# KiCad board uaefi.kicad_pcb
title: UAEFI; date: 2026-09-01; rev: F3
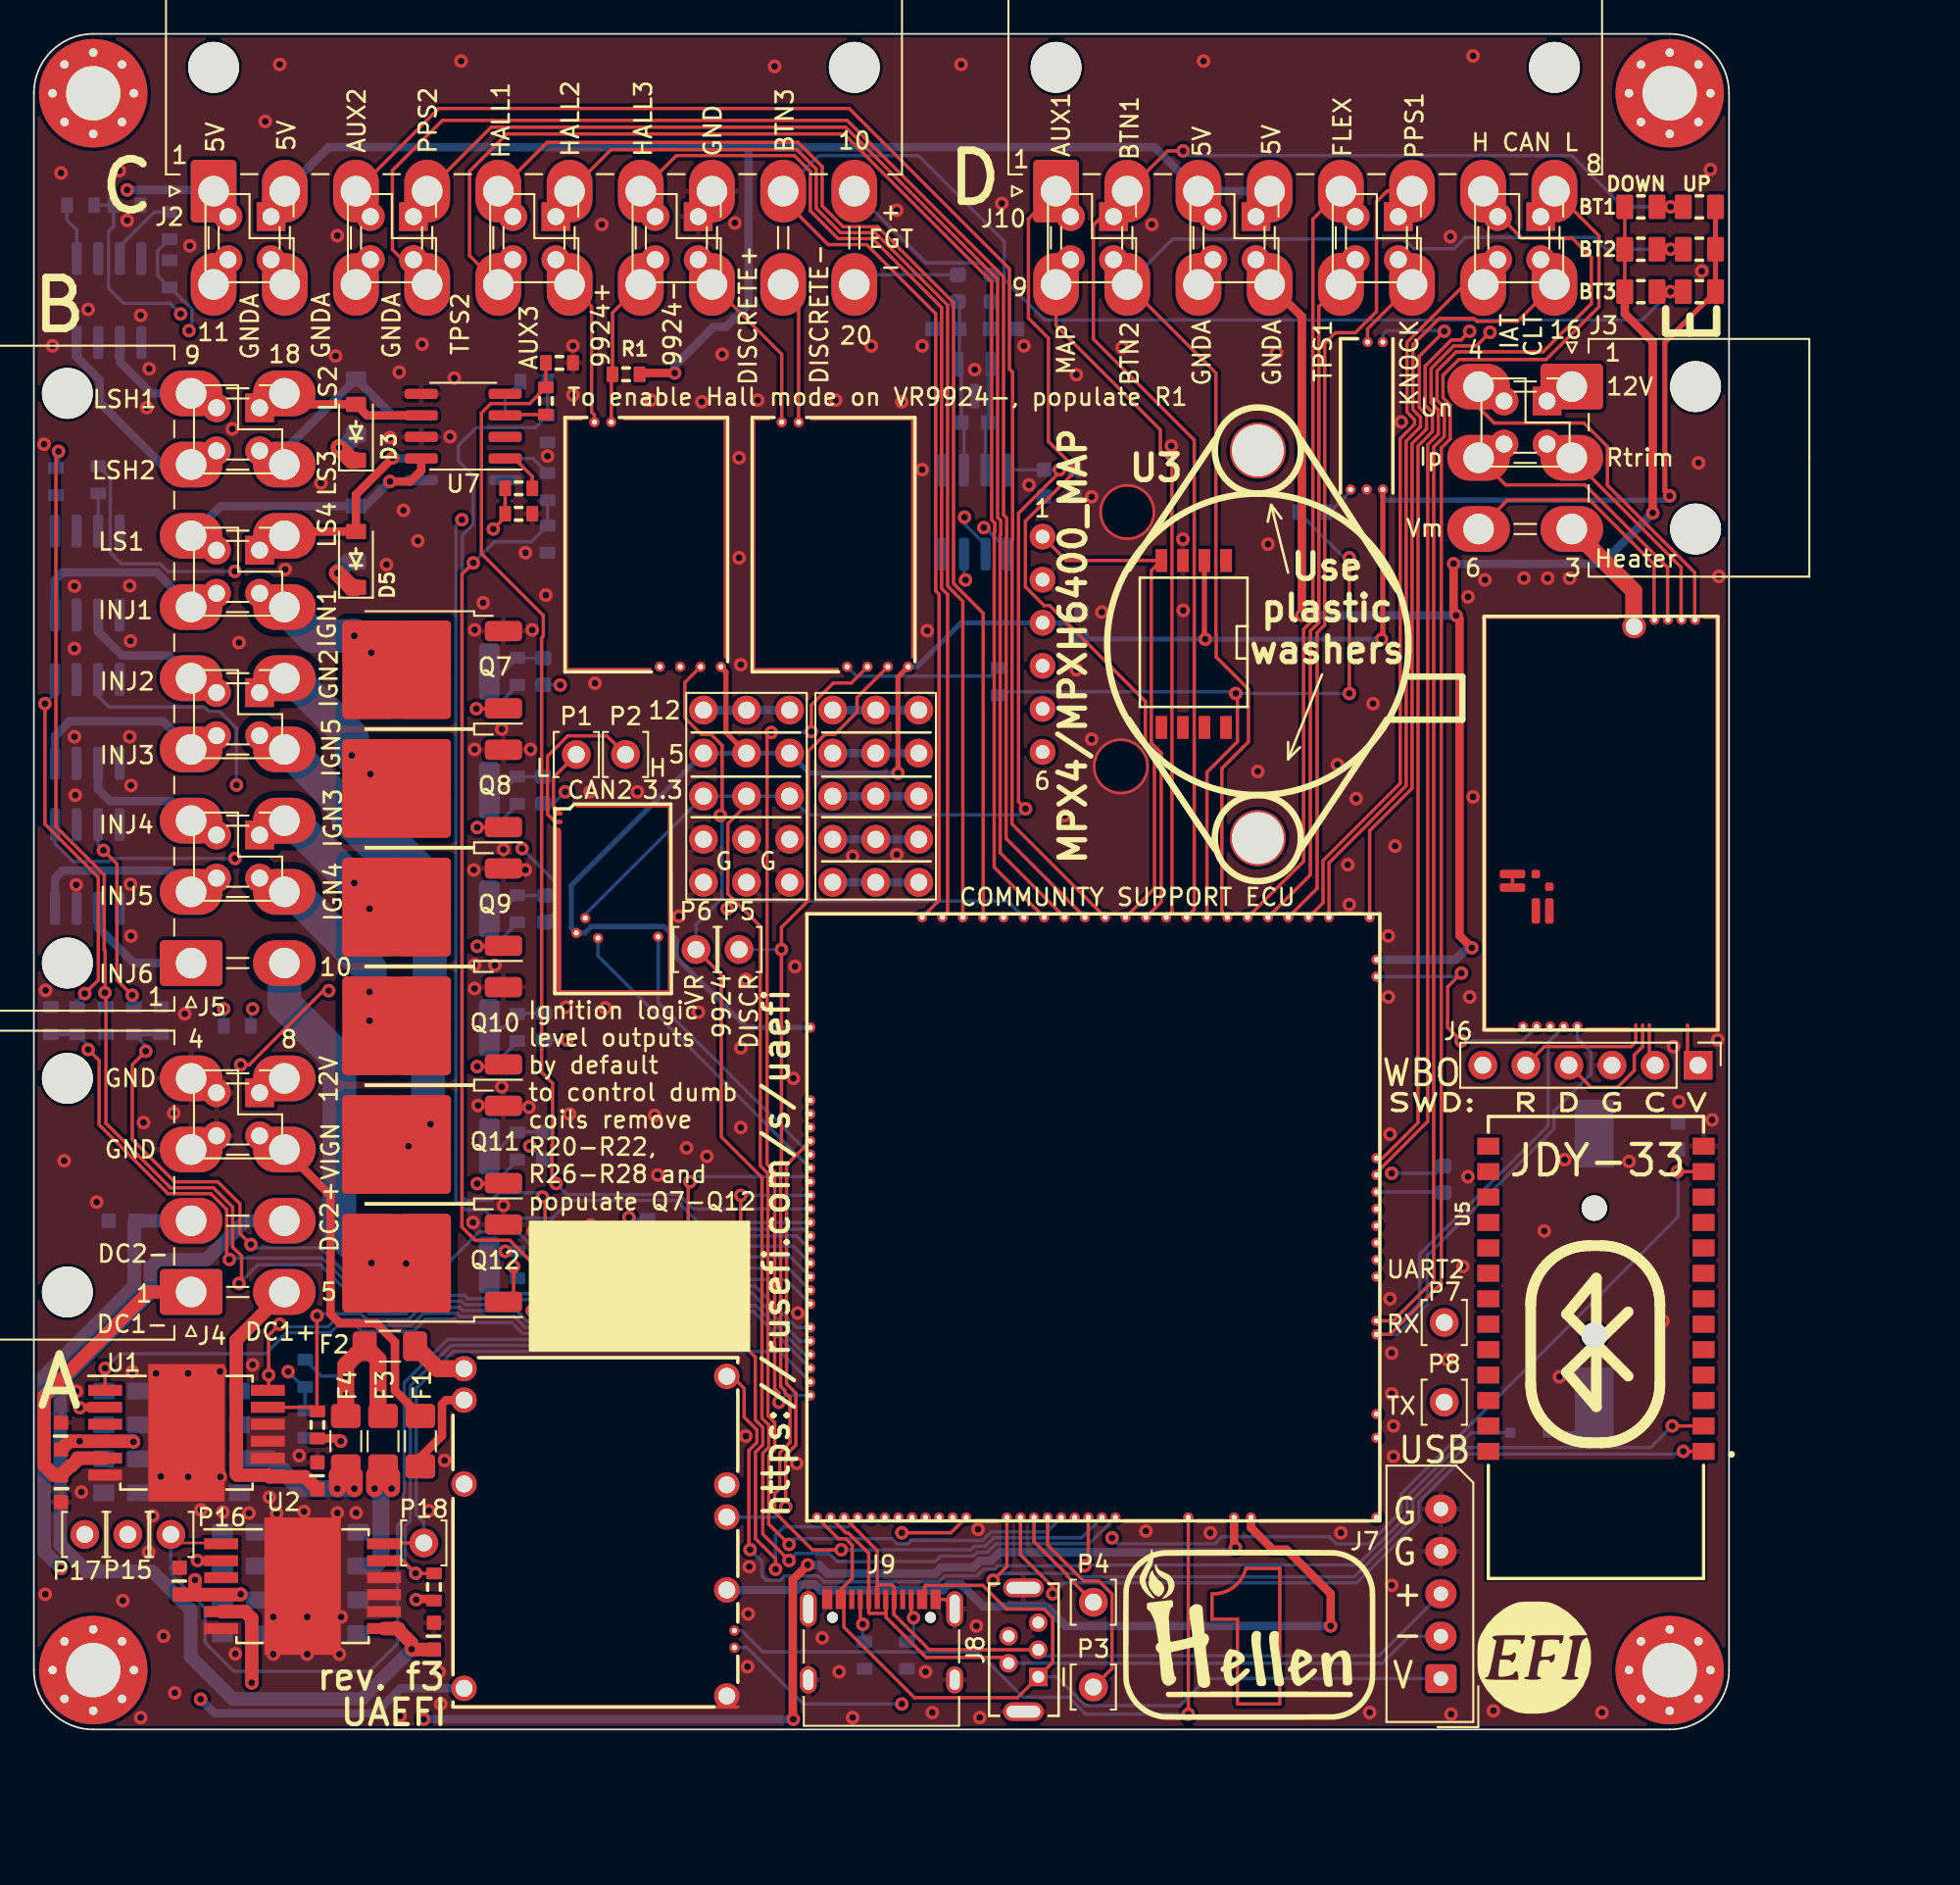
[diagram p0: board, top side]
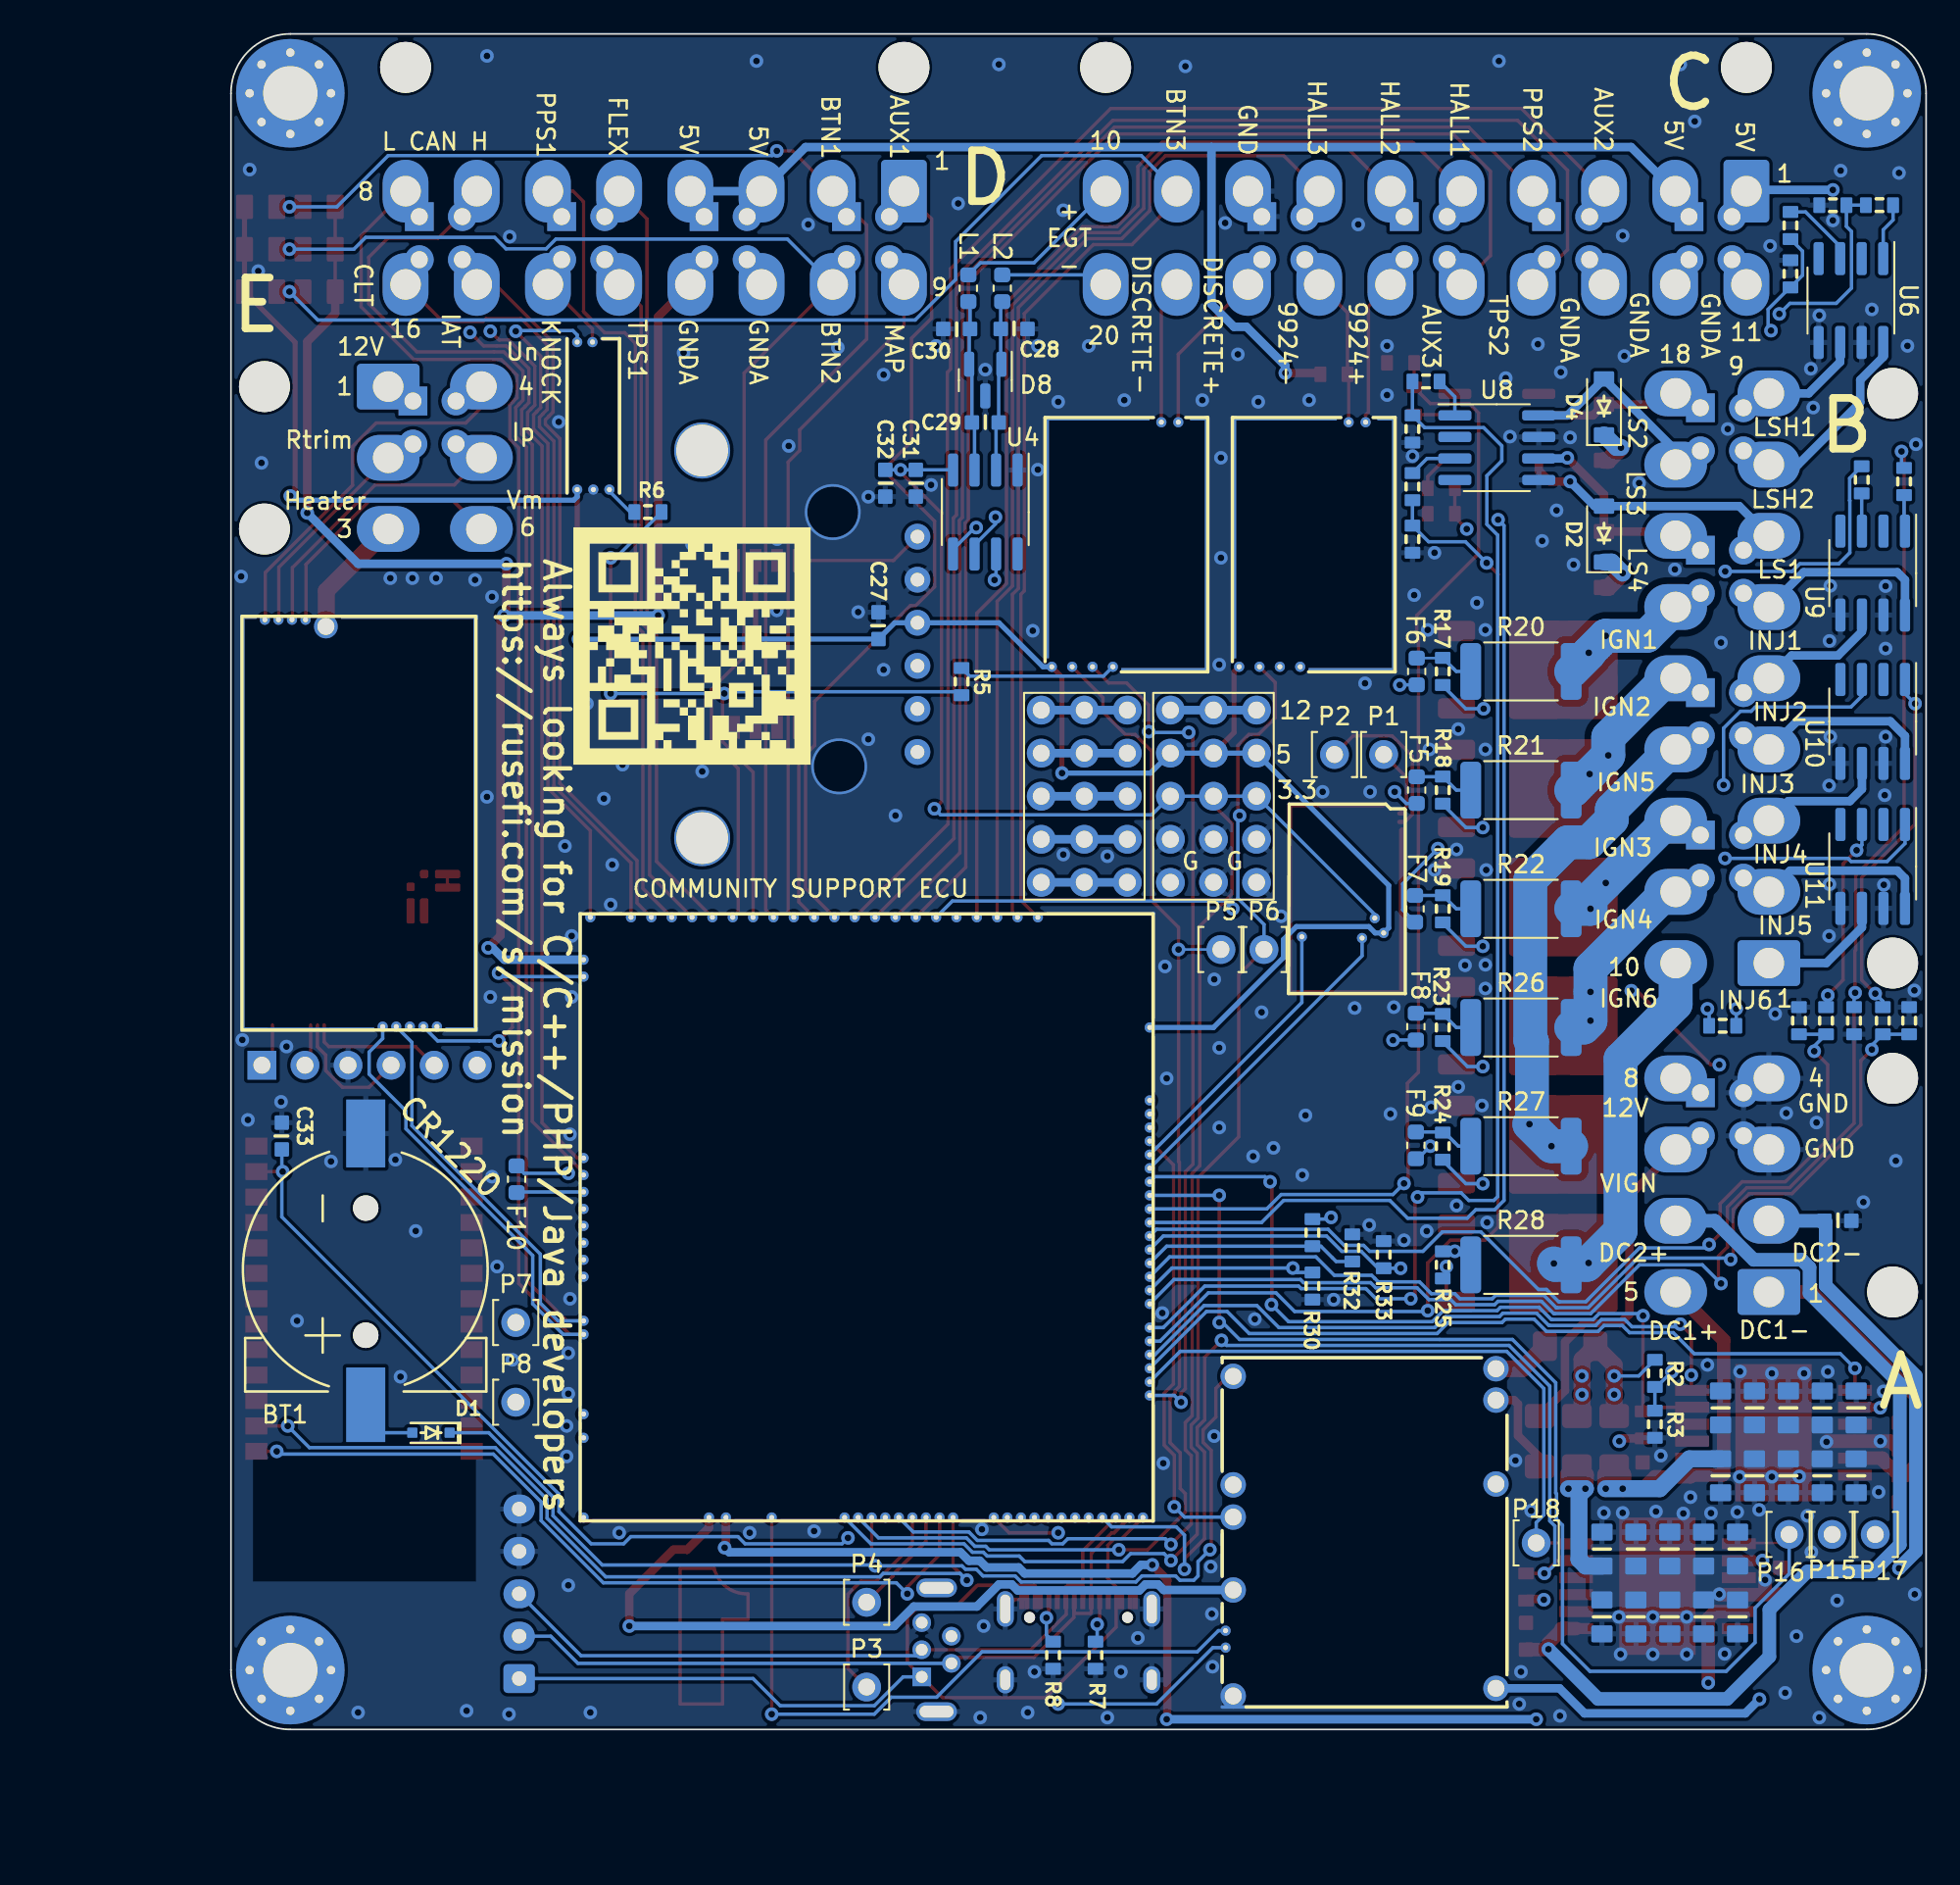
[diagram p1: board, bottom side, seen from below]

Outline 100 x 100 mm; copper layers: Top, In1.Cu, In2.Cu, Bottom. Coordinates in mm from the lower left corner of the outline.
Outline path: 0,96.5 0,3.5 arc(1.03,1.03) 3.5,0 96.5,0 arc(98.97,1.03) 100,3.5 100,96.5 arc(98.97,98.97) 96.5,100 3.5,100 arc(1.03,98.97) 0,96.5
Stack: Top 0.035mm / dielectric 0.1mm FR4 er 4.5 / In1.Cu 0.035mm / dielectric 1.24mm FR4 er 4.5 / In2.Cu 0.035mm / dielectric 0.1mm FR4 er 4.5 / Bottom 0.035mm

## Placement (name value [footprint] x y rotation side)
BT1  CR1220  [CR1220-2]  92.05 27.15 90 bottom
C1  10u  [C0805]  4.12 18.96 270 bottom
C2  10u  [C0805]  6.12 18.96 270 bottom
C3  10u  [C0805]  8.12 18.96 270 bottom
C4  10u  [C0805]  10.12 18.96 270 bottom
C5  10u  [C0805]  12.12 18.96 270 bottom
C6  10u  [C0805]  4.12 14.96 90 bottom
C7  10u  [C0805]  6.12 14.96 90 bottom
C8  10u  [C0805]  8.12 14.96 90 bottom
C9  10u  [C0805]  10.12 14.96 90 bottom
C10  10u  [C0805]  12.12 14.96 90 bottom
C11  100n  [C0603]  1.6 17.3 270 top
C12  10n  [C0603]  1.6 14.2 90 top
C13  10n  [C0603]  16.72 14.96 270 top
C14  10u  [C0805]  11.12 10.64 270 bottom
C15  10u  [C0805]  13.12 10.64 270 bottom
C16  10u  [C0805]  15.12 10.64 270 bottom
C17  10u  [C0805]  17.12 10.64 270 bottom
C18  10u  [C0805]  19.12 10.64 270 bottom
C19  10u  [C0805]  11.12 6.64 90 bottom
C20  10u  [C0805]  13.12 6.64 90 bottom
C21  10u  [C0805]  15.12 6.64 90 bottom
C22  10u  [C0805]  17.12 6.64 90 bottom
C23  10u  [C0805]  19.12 6.64 90 bottom
C24  100n  [C0603]  8.6 8.75 270 top
C25  10n  [C0603]  5.2 30 0 bottom
C26  10n  [C0603]  23.6 5.5 270 top
C27  100n  [C0603]  61.8 65.1 270 bottom
C28  10n  [C0603]  53.8 82.6 0 bottom
C29  100n  [C0603]  55.5 77.08 0 bottom
C30  10n  [C0603]  57.19 82.6 180 bottom
C31  100n  [C0603]  59.6 73.5 90 bottom
C32  1u  [C0603]  61.4 73.5 90 bottom
C33  100n  [C0603]  97 35 270 bottom
D1  1N4148WS  [SOD-323]  88.2 17.5 0 bottom
D2  B5819W  [SOD-123]  19 70.5 90 bottom
D3  B5819W  [SOD-123]  19 76.5 90 top
D4  B5819W  [SOD-123]  19 78 90 bottom
D5  B5819W  [SOD-123]  19 69 90 top
D8  NUP2105L  [SOT-23]  55.5 79.58 270 bottom
F1  Fuse  [Fuse_1206_3216Metric_Pad1.42x1.75mm_HandSolder]  22.8 17 270 top
F2  Fuse  [Fuse_1206_3216Metric_Pad1.42x1.75mm_HandSolder]  21 22.6 0 top
F3  Fuse  [Fuse_1206_3216Metric_Pad1.42x1.75mm_HandSolder]  20.6 17 270 top
F4  Fuse  [Fuse_1206_3216Metric_Pad1.42x1.75mm_HandSolder]  18.4 17 270 top
F5  50mA  [Fuse_0603_1608Metric]  30.05 55.4 270 bottom
F6  50mA  [Fuse_0603_1608Metric]  30.05 62.4 270 bottom
F7  50mA  [Fuse_0603_1608Metric]  30.15 48.4 270 bottom
F8  50mA  [Fuse_0603_1608Metric]  30.1 41.45 270 bottom
F9  50mA  [Fuse_0603_1608Metric]  30.1 34.45 270 bottom
F10  50mA  [Fuse_0603_1608Metric]  83.15 32.45 270 bottom
G1  RUSEFI_LOGO  [rusefi_logo]  88.5 4.2 0 top
G2  -  [LOGO]  72 5.5 0 top
G3  -  [PROTO_AREA]  39.5 49.96 90 top
G4  -  [PROTO_AREA]  47.12 49.96 90 top
G***  -  [LOGO]  72.8 63.9 180 bottom
H1  M3  [MountingHole_3.2mm_M3_Pad_Via]  3.5 96.5 0 top
H2  M3  [MountingHole_3.2mm_M3_Pad_Via]  3.5 3.5 0 top
H3  M3  [MountingHole_3.2mm_M3_Pad_Via]  96.5 3.5 0 top
H4  M3  [MountingHole_3.2mm_M3_Pad_Via]  96.5 96.5 0 top
J1  Conn_02x02_Odd_Even  [PinSocket_2x02_P2.54mm_Vertical]  88.89 89.22 0 top
J2  5569-20A2  [Molex_Mini-Fit_Jr_5569-20A2_2x10_P4.20mm_Horizontal]  10.6 90.72 0 top
J3  5569-06A2  [Molex_Mini-Fit_Jr_5569-06A2_2x03_P4.20mm_Horizontal]  90.72 79.2 270 top
J4  5569-08A2  [Molex_Mini-Fit_Jr_5569-08A2_2x04_P4.20mm_Horizontal]  9.27 25.8 90 top
J5  5569-18A2  [Molex_Mini-Fit_Jr_5569-18A2_2x09_P4.20mm_Horizontal]  9.27 45.2 90 top
J6  Conn_01x06  [PinHeader_1x06_P2.54mm_Vertical]  98.18 39.17 270 top
J7  Conn_01x05_Male  [Molex_SPOX_5267-05A_1x05_P2.50mm_Vertical]  83 3 90 top
J8  USB_B_Mini  [USB-MINI-B-VERTICAL]  58.38 4.7 90 top
J9  -  [USB_C]  50 4 0 top
J10  5569-16A2  [Molex_Mini-Fit_Jr_5569-16A2_2x08_P4.20mm_Horizontal]  60.3 90.72 0 top
J11  Conn_02x02_Odd_Even  [PinSocket_2x02_P2.54mm_Vertical]  80.49 89.22 0 top
J12  Conn_02x02_Odd_Even  [PinSocket_2x02_P2.54mm_Vertical]  72.09 89.22 0 top
J13  Conn_02x02_Odd_Even  [PinSocket_2x02_P2.54mm_Vertical]  63.69 89.22 0 top
J14  Conn_02x02_Odd_Even  [PinSocket_2x02_P2.54mm_Vertical]  13.99 89.22 0 top
J15  Conn_02x02_Odd_Even  [PinSocket_2x02_P2.54mm_Vertical]  22.39 89.22 0 top
J16  Conn_02x02_Odd_Even  [PinSocket_2x02_P2.54mm_Vertical]  30.79 89.22 0 top
J17  Conn_02x02_Odd_Even  [PinSocket_2x02_P2.54mm_Vertical]  39.19 89.22 0 top
J18  Conn_02x02_Odd_Even  [PinSocket_2x02_P2.54mm_Vertical]  13.31 77.95 0 top
J19  Conn_02x02_Odd_Even  [PinSocket_2x02_P2.54mm_Vertical]  13.31 69.55 0 top
J20  Conn_02x02_Odd_Even  [PinSocket_2x02_P2.54mm_Vertical]  13.31 61.15 0 top
J21  Conn_02x02_Odd_Even  [PinSocket_2x02_P2.54mm_Vertical]  13.31 52.75 0 top
J22  Conn_02x02_Odd_Even  [PinSocket_2x02_P2.54mm_Vertical]  13.31 37.55 0 top
J24  Conn_02x02_Odd_Even  [PinSocket_2x02_P2.54mm_Vertical]  89.26 78.35 0 top
L1  470R@100MHz  [L_0603_1608Metric]  56.5 85 270 bottom
L2  470R@100MHz  [L_0603_1608Metric]  54.5 85 270 bottom
M1  Module-power_12and5V-0.3  [power_12and5V]  24.62 1.22 0 top
M2  Module-knock-0.2  [knock]  76.97 82.12 270 top
M3  Module-vr-discrete-0.5  [vr-discrete]  42.28 77.47 270 top
M4  Module-vr-max9924-0.1  [vr-max9924]  31.22 77.47 270 top
M5  Module-wbo-0.6  [wbo]  99.45 41.15 90 top
M6  Module:mega-mcu100/0.3  [mega-mcu100]  79.5 48.2 180 top
M7  Module-can-0.1  [can]  30.62 54.67 270 top
P1  Pad  [PAD-TH]  32 57.5 0 top
P2  Pad  [PAD-TH]  34.9 57.5 0 top
P3  Pad  [PAD-TH]  62.5 2.5 0 top
P4  Pad  [PAD-TH]  62.5 7.5 0 top
P5  Pad  [PAD-TH]  41.6 46 0 top
P6  Pad  [PAD-TH]  39.06 46 0 top
P7  Pad  [PAD-TH]  83.2 24 0 top
P8  Pad  [PAD-TH]  83.2 19.3 0 top
P15  Pad  [PAD-TH]  5.54 11.5 0 top
P16  Pad  [PAD-TH]  8.08 11.5 0 top
P17  Pad  [PAD-TH]  3 11.5 0 top
P18  Pad  [PAD-TH]  23 11 0 top
Q7  ISL9V3040D3ST  [TO-252-2]  22.66 62.5 180 top
Q8  ISL9V3040D3ST  [TO-252-2]  22.66 55.5 180 top
Q9  ISL9V3040D3ST  [TO-252-2]  22.66 48.5 180 top
Q10  ISL9V3040D3ST  [TO-252-2]  22.66 41.5 180 top
Q11  ISL9V3040D3ST  [TO-252-2]  22.66 34.5 180 top
Q12  ISL9V3040D3ST  [TO-252-2]  22.66 27.5 180 top
R1  4.7k  [R0603]  34.93 79.92 180 top
R2  33k  [R0603]  16 21 90 bottom
R3  6.8k  [R0603]  16 18 90 bottom
R4  4.7k  [R0603]  2.75 89.9 180 bottom
R5  0  [R0603]  56.9 61.8 270 bottom
R6  0  [R0603]  75.4 71.8 180 bottom
R7  5.6k  [R0603]  49 4.38 90 bottom
R8  5.6k  [R0603]  51.5 4.38 90 bottom
R9  4.7k  [R0603]  16.72 17.96 270 top
R10  4.7k  [R0603]  28.6 71.7 180 top
R11  4.7k  [R0603]  31 80.6 180 top
R12  4.7k  [R0603]  30.3 76.7 90 bottom
R13  4.7k  [R0603]  30.3 70.2 90 bottom
R14  4.7k  [R0603]  23.6 8.4 270 top
R15  4.7k  [R0603]  5.5 89.9 0 bottom
R16  4.7k  [R0603]  8 85.85 90 bottom
R17  22  [R0603]  28.51 62.4 90 bottom
R18  22  [R0603]  28.51 55.4 90 bottom
R19  22  [R0603]  28.51 48.4 90 bottom
R20  0  [R_2512_6332Metric]  23.9 62.4 180 bottom
R21  0  [R_2512_6332Metric]  23.9 55.4 180 bottom
R22  0  [R_2512_6332Metric]  23.9 48.4 180 bottom
R23  22  [R0603]  28.51 41.4 90 bottom
R24  22  [R0603]  28.51 34.4 90 bottom
R25  22  [R0603]  28.51 27.4 90 bottom
R26  0  [R_2512_6332Metric]  23.9 41.4 180 bottom
R27  0  [R_2512_6332Metric]  23.9 34.4 180 bottom
R28  0  [R_2512_6332Metric]  23.9 27.4 180 bottom
R29  4.7k  [R0603]  4.25 41.8 90 bottom
R30  4.7k  [R0603]  36.2 26.15 90 bottom
R31  4.7k  [R0603]  1 41.8 270 bottom
R32  4.7k  [R0603]  33.85 28.4 270 bottom
R33  4.7k  [R0603]  32 28 270 bottom
R34  4.7k  [R0603]  7.5 41.8 270 bottom
R35  10k  [R0805]  94.8 89.8 0 top
R36  10k  [R0805]  94.8 87.3 0 top
R37  10k  [R0805]  94.8 84.8 0 top
R38  DNP  [R0805]  98.25 89.8 0 top
R39  DNP  [R0805]  98.25 87.3 0 top
R40  DNP  [R0805]  98.25 84.8 0 top
R41  4.7k  [R0603]  8 88.7 90 bottom
R42  4.7k  [R0603]  1.3 73.6 270 bottom
R43  4.7k  [R0603]  3.8 73.7 270 bottom
R44  4.7k  [R0603]  2.55 41.8 90 bottom
R45  4.7k  [R0603]  36.2 29.3 90 bottom
R46  4.7k  [R0603]  12 41.5 180 bottom
R47  4.7k  [R0603]  5.9 41.8 90 bottom
R48  4.7k  [R0603]  28.6 73.2 0 top
R49  4.7k  [R0603]  30.2 78.35 270 top
R50  4.7k  [R0603]  29.5 79.5 180 bottom
R51  4.7k  [R0603]  30.3 73.3 90 bottom
U1  TLE9201SG  [Infineon_PG-DSO-12-11]  9 17.5 0 top
U2  TLE9201SG  [Infineon_PG-DSO-12-11]  15.85 8.45 0 top
U3  MPX4/MPXH6400_MAP  [MPX-4_MAP]  76.01 64 270 top
U4  MAX31855KASA  [SOIC-8_3.9x4.9mm_P1.27mm]  55.5 71.8 270 bottom
U5  -  [JDY-33]  92.15 22.72 180 top
U6  VNLD5160TR-E  [SOIC-8_3.9x4.9mm_P1.27mm]  4.44 84.28 270 bottom
U7  VNLD5160TR-E  [SOIC-8_3.9x4.9mm_P1.27mm]  25.33 76.86 180 top
U8  VNLD5160TR-E  [SOIC-8_3.9x4.9mm_P1.27mm]  25.33 75.59 180 bottom
U9  VNLD5160TR-E  [SOIC-8_3.9x4.9mm_P1.27mm]  3.15 68.2 270 bottom
U10  VNLD5160TR-E  [SOIC-8_3.9x4.9mm_P1.27mm]  3.15 59.45 270 bottom
U11  VNLD5160TR-E  [SOIC-8_3.9x4.9mm_P1.27mm]  3.15 50.9 270 bottom

## Library data of the parts
BT1 = -: LCSC: C70381
C1-C10 C14-C23 = -: LCSC: C15850
C11 C24 C27 C29 C31 C33 = -: LCSC: C14663
C12 C13 C25 C26 C28 C30 = -: LCSC: C57112
C32 = -: LCSC: C15849
D1 = -: LCSC: C2128
D2-D5 = -: LCSC: C8598
D8 = -: Datasheet: https://www.onsemi.com/pub_link/Collateral/NUP2105L-D.PDF; Description: Dual Line CAN Bus Protector, 24Vrwm; LCSC: C284104; ki_fp_filters: SOT?23*
F1-F4 = -: LCSC: C182446; ki_fp_filters: *Fuse*
F5-F10 = -: LCSC: C369141; ki_fp_filters: *polyfuse* *PTC*
H1-H4 = -: Description: Mounting Hole with connection; ki_fp_filters: MountingHole*Pad*
J1 J11-J22 J24 = -: ki_fp_filters: Connector*:*_2x??_*
J2 = -: LCSC: C485578; ki_fp_filters: Connector*:*_2x??_*
J3 = -: LCSC: C293509; ki_fp_filters: Connector*:*_2x??_*
J4 = -: LCSC: C490533; ki_fp_filters: Connector*:*_2x??_*
J5 = -: LCSC: C240834; ki_fp_filters: Connector*:*_2x??_*
J6 = -: LCSC: C37208; ki_fp_filters: Connector*:*_1x??_*
J7 P1-P8 P15-P18 = -: ki_fp_filters: Connector*:*_1x??_*
J8 = -: MyComment: DNP; ki_fp_filters: USB*
J9 = -: Datasheet: https://www.usb.org/sites/default/files/documents/usb_type-c.zip; LCSC: C2927038; ki_fp_filters: USB*C*Receptacle*
J10 = -: LCSC: C485577; ki_fp_filters: Connector*:*_2x??_*
L1 L2 = -: LCSC: C97853; ki_fp_filters: Choke_* *Coil* Inductor_* L_*
M1 = -: Description: Hellen-One Power_12and5V Module
M6 = -: Description: Hellen One MEGA-MCU100 Module; PUBLISHER: qwerty-off; SUPPLIER PART NUMBER 1: *; SUPPLIER PART NUMBER 2: *; SUPPLIER 1: Mouser; SUPPLIER 2: Digi-Key; FITTED: False; SUPPLIER 3: LCSC; TYPE: Module; ki_fp_filters: MOD_Hellen_MEGA_MCU100_0.1
Q7-Q12 R1 R5 = -: MyComment: DNP
R2 = -: LCSC: C4216
R3 = -: LCSC: C23212
R4 R9-R16 R29-R34 R41-R51 = -: LCSC: C23162
R6 = -: LCSC: C21189
R7 R8 = -: LCSC: C23189
R17-R19 R23-R25 = -: LCSC: C23345
R20-R22 R26-R28 = -: LCSC: C25469
R35-R37 = -: LCSC: C17414
U1 U2 = -: LCSC: C112633
U4 = -: Datasheet: http://datasheets.maximintegrated.com/en/ds/MAX31855.pdf; Description: Cold Junction K-type Thermocouple Interface, SPI, SOIC-8; LCSC: C52028; ki_fp_filters: SOIC*3.9x4.9mm*P1.27mm*
U5 = -: Datasheet: https://datasheet.lcsc.com/lcsc/2106070033_QIACHIP-WL9981TC_C2689544.pdf; LCSC: C9900001612; MF: HuiCheng; PARTREV: v1.0; STANDARD: Manufacturer Recommendations
U6-U11 = -: LCSC: C377942

## Footprints (pads in the part's own frame, mm; a bottom-side part is the same pattern mirrored in y, then rotated)
C0603
  rrect 0.85x0.85 smd: 1(-0.79,0) 2(0.79,0)
C0805
  rrect 1x1.25 smd: 1(-1,0) 2(1,0)
can
  oval 0.2x5.67 smd: E1(0.2,4.138)
  oval 11.1x0.2 smd: E1(5.675,6.875)
  oval 9.8x0.4 smd: E1(6.375,0.275)
  oval 0.5x0.25 smd: E1(11,0.275)
  oval 0.2x6.8 smd: E1(11.175,3.538)
  oval 0.25x0.5 smd: S1(0.65,0.325) S2(1.15,0.325)
  round 0.6 hole 0.3: V1(7.7,1.375) V2(6.825,1.9) V5(8,2.65) V6(7.925,6.2)
CR1220-2
  round 1.5 hole 1.5 unplated: (-3.9,0) (3.6,0)
  rect 4.4x2.3 smd: 1(-8,0)
  rect 4x2.3 smd: 2(8,0)
Fuse_0603_1608Metric
  rrect 0.875x0.95 smd: 1(-0.787,0) 2(0.787,0)
Fuse_1206_3216Metric_Pad1.42x1.75mm_HandSolder
  rrect 1.425x1.75 smd: 1(-1.488,0) 2(1.488,0)
Infineon_PG-DSO-12-11
  rect 1.95x1.16 smd: (-1.125,2.92) (-1.125,1.46) (-1.125,0) (-1.125,-1.46) (-1.125,-2.92) (1.125,2.92) (1.125,1.46) (1.125,0) (1.125,-1.46) (1.125,-2.92)
  rect 2x0.65 smd: 1(-4.8,2.5) 2(-4.8,1.5) 3(-4.8,0.5) 4(-4.8,-0.5) 5(-4.8,-1.5) 6(-4.8,-2.5) 7(4.8,-2.5) 8(4.8,-1.5) 9(4.8,-0.5) 10(4.8,0.5) 11(4.8,1.5) 12(4.8,2.5)
  rect 4.5x8.1 smd: 13(0,0)
JDY-33
  rect 1.3x1 smd: 1(-6.35,6.325) 2(-6.35,4.825) 3(-6.35,3.325) 4(-6.35,1.825) 5(-6.35,0.325) 6(-6.35,-1.175) 7(-6.35,-2.675) 8(-6.35,-4.175) 9(-6.35,-5.675) 10(-6.35,-7.175) 11(-6.35,-8.675) 12(-6.35,-10.175) 13(-6.35,-11.675) 14(6.35,-11.675) 15(6.35,-10.175) 16(6.35,-8.675) 17(6.35,-7.175) 18(6.35,-5.675) 19(6.35,-4.175) 20(6.35,-2.675) 21(6.35,-1.175) 22(6.35,0.325) 23(6.35,1.825) 24(6.35,3.325) 25(6.35,4.825) 26(6.35,6.325)
knock
  round 0.6 hole 0.3: E1(9,2.6) E2(9,1.65) E3(9,0.7) W1(0.3,1.7) W2(0.3,2.6)
  oval 0.2x1.225 smd: E2(0.1,0.625) E2(0.1,0.625) E2(0.1,0.625)
  oval 0.2x1.225 smd far side: E2(0.1,0.625)
  oval 9.3x0.2 smd: E2(4.65,3.2) E2(4.65,3.2) E2(4.65,3.2) E2(4.65,0.1) E2(4.65,0.1) E2(4.65,0.1)
  oval 9.3x0.2 smd far side: E2(4.65,3.2) E2(4.65,0.1)
L_0603_1608Metric
  rrect 0.875x0.95 smd: 1(-0.787,0) 2(0.787,0)
mega-mcu100
  round 0.6 hole 0.3: E1(33.7,6.8) E2(33.7,11.1) E3(33.7,11.9) E4(33.7,12.7) E5(33.7,13.5) E6(33.7,14.3) E7(33.7,15.1) E8(33.7,15.9) E9(33.7,16.7) E10(33.7,17.5) E11(33.7,18.3) E12(33.7,19.1) E13(33.7,19.9) E14(33.7,20.7) E15(33.7,21.5) E16(33.7,22.3) E17(33.7,23.1) E18(33.7,24.5) E19(33.7,25.3) E20(33.7,26.1) E21(33.7,26.9) E22(33.7,27.7) E23(33.7,28.5) N1(33.3,35.7) N2(32.5,35.7) N3(31.7,35.7) N4(30.9,35.7) N5(30.1,35.7) N6(29.3,35.7) N7(28.5,35.7) N8(27.7,35.7) N9(26.9,35.7) N10(26.1,35.7) N11(25.3,35.7) N12(24.5,35.7) N13(22.1,35.7) N14(21.3,35.7) N14a(20.5,35.7) N14b(19.7,35.7) N15(18.9,35.7) N16(18.1,35.7) N17(17.3,35.7) N18(16.5,35.7) N19(15.7,35.7) N20(11.4,35.7) N21(8.7,35.7) N22(7.7,35.7) N23(0.3,35.7) S1(27.1,0.3) S2(25.9,0.3) S3(24.7,0.3) S4(23.5,0.3) S5(22.3,0.3) S6(21.1,0.3) S7(19.9,0.3) S8(18.7,0.3) S9(17.5,0.3) S10(16.3,0.3) S11(15.1,0.3) S12(13.9,0.3) S13(12.7,0.3) S14(11.5,0.3) S15(10.3,0.3) S16(9.1,0.3) S17(7.9,0.3) S18(6.7,0.3) S19(5.5,0.3) S20(4.3,0.3) S21(3.1,0.3) S22(0.7,0.3) W1(0.3,2.8) W2(0.3,3.8) W3(0.3,14.5) W4(0.3,15.5) W5(0.3,16.5) W6(0.3,17.5) W7(0.3,18.5) W8(0.3,19.5) W9(0.3,20.5) W10(0.3,21.5) W11(0.3,24.1) W12(0.3,24.9) W13(0.3,29.6) W14(0.3,31)
  rect 0.2x3.7 smd: G(0.1,33.35) G(0.1,33.35) G(0.1,33.35) G(0.1,27.25) G(0.1,27.25) G(0.1,27.25)
  rect 0.2x3.7 smd far side: G(0.1,33.35) G(0.1,27.25)
  rect 0.2x0.4 smd: G(0.1,30.3) G(0.1,30.3) G(0.1,30.3) G(33.9,23.8) G(33.9,23.8) G(33.9,23.8)
  rect 0.2x0.4 smd far side: G(0.1,30.3) G(33.9,23.8)
  rect 0.2x1.6 smd: G(0.1,22.8) G(0.1,22.8) G(0.1,22.8)
  rect 0.2x1.6 smd far side: G(0.1,22.8)
  rect 0.2x9.7 smd: G(0.1,9.15) G(0.1,9.15) G(0.1,9.15)
  rect 0.2x9.7 smd far side: G(0.1,9.15)
  rect 0.2x2.3 smd: G(0.1,1.15) G(0.1,1.15) G(0.1,1.15)
  rect 0.2x2.3 smd far side: G(0.1,1.15)
  rect 1.4x0.2 smd: G(1.9,0.1) G(1.9,0.1) G(1.9,0.1) G(23.3,35.9) G(23.3,35.9) G(23.3,35.9)
  rect 1.4x0.2 smd far side: G(1.9,0.1) G(23.3,35.9)
  rect 6.4x0.2 smd: G(4,35.9) G(4,35.9) G(4,35.9) G(30.8,0.1) G(30.8,0.1) G(30.8,0.1)
  rect 6.4x0.2 smd far side: G(4,35.9) G(30.8,0.1)
  rect 1.7x0.2 smd: G(10.05,35.9) G(10.05,35.9) G(10.05,35.9)
  rect 1.7x0.2 smd far side: G(10.05,35.9)
  rect 3.3x0.2 smd: G(13.55,35.9) G(13.55,35.9) G(13.55,35.9)
  rect 3.3x0.2 smd far side: G(13.55,35.9)
  rect 0.2x7 smd: G(33.9,32.5) G(33.9,32.5) G(33.9,32.5)
  rect 0.2x7 smd far side: G(33.9,32.5)
  rect 0.2x3.3 smd: G(33.9,8.95) G(33.9,8.95) G(33.9,8.95)
  rect 0.2x3.3 smd far side: G(33.9,8.95)
  rect 0.2x6.3 smd: G(33.9,3.15) G(33.9,3.15) G(33.9,3.15)
  rect 0.2x6.3 smd far side: G(33.9,3.15)
Molex_Mini-Fit_Jr_5569-06A2_2x03_P4.20mm_Horizontal
  round 3 hole 3 unplated: (0,7.3) (8.4,7.3)
  rrect 2.7x3.7 hole 1.8: 1(0,0)
  oval 2.7x3.7 hole 1.8: 2(4.2,0) 3(8.4,0) 4(0,-5.5) 5(4.2,-5.5) 6(8.4,-5.5)
Molex_Mini-Fit_Jr_5569-08A2_2x04_P4.20mm_Horizontal
  round 3 hole 3 unplated: (0,7.3) (12.6,7.3)
  rrect 2.7x3.7 hole 1.8: 1(0,0)
  oval 2.7x3.7 hole 1.8: 2(4.2,0) 3(8.4,0) 4(12.6,0) 5(0,-5.5) 6(4.2,-5.5) 7(8.4,-5.5) 8(12.6,-5.5)
Molex_Mini-Fit_Jr_5569-16A2_2x08_P4.20mm_Horizontal
  round 3 hole 3 unplated: (0,7.3) (29.4,7.3)
  rrect 2.7x3.7 hole 1.8: 1(0,0)
  oval 2.7x3.7 hole 1.8: 2(4.2,0) 3(8.4,0) 4(12.6,0) 5(16.8,0) 6(21,0) 7(25.2,0) 8(29.4,0) 9(0,-5.5) 10(4.2,-5.5) 11(8.4,-5.5) 12(12.6,-5.5) 13(16.8,-5.5) 14(21,-5.5) 15(25.2,-5.5) 16(29.4,-5.5)
Molex_Mini-Fit_Jr_5569-18A2_2x09_P4.20mm_Horizontal
  round 3 hole 3 unplated: (0,7.3) (33.6,7.3)
  rrect 2.7x3.7 hole 1.8: 1(0,0)
  oval 2.7x3.7 hole 1.8: 2(4.2,0) 3(8.4,0) 4(12.6,0) 5(16.8,0) 6(21,0) 7(25.2,0) 8(29.4,0) 9(33.6,0) 10(0,-5.5) 11(4.2,-5.5) 12(8.4,-5.5) 13(12.6,-5.5) 14(16.8,-5.5) 15(21,-5.5) 16(25.2,-5.5) 17(29.4,-5.5) 18(33.6,-5.5)
Molex_Mini-Fit_Jr_5569-20A2_2x10_P4.20mm_Horizontal
  round 3 hole 3 unplated: (0,7.3) (37.8,7.3)
  rrect 2.7x3.7 hole 1.8: 1(0,0)
  oval 2.7x3.7 hole 1.8: 2(4.2,0) 3(8.4,0) 4(12.6,0) 5(16.8,0) 6(21,0) 7(25.2,0) 8(29.4,0) 9(33.6,0) 10(37.8,0) 11(0,-5.5) 12(4.2,-5.5) 13(8.4,-5.5) 14(12.6,-5.5) 15(16.8,-5.5) 16(21,-5.5) 17(25.2,-5.5) 18(29.4,-5.5) 19(33.6,-5.5) 20(37.8,-5.5)
Molex_SPOX_5267-05A_1x05_P2.50mm_Vertical
  rrect 1.7x1.85 hole 0.85: 1(0,0)
  oval 1.7x1.85 hole 0.85: 2(2.5,0) 3(5,0) 4(7.5,0) 5(10,0)
MountingHole_3.2mm_M3_Pad_Via
  round 0.8 hole 0.5: 1(-2.4,0) 1(-1.697,1.697) 1(-1.697,-1.697) 1(0,2.4) 1(0,-2.4) 1(1.697,1.697) 1(1.697,-1.697) 1(2.4,0)
  round 6.4 hole 3.2: 1(0,0)
MPX-4_MAP
  round 3.302 hole 3.048: (-11.43,-3.81) (11.43,-3.81)
  rect 1.35x0.69 smd: 0(-4.942,-5.69) 0(4.9,-5.69) 0(4.9,-6.96) 0(4.9,-8.23) 0(4.9,-9.5) 1(-4.942,-9.5) 2(-4.942,-8.23) 3(-4.942,-6.96)
  round 1.524 hole 0.813: 1(-6.35,-16.51) 2(-3.81,-16.51) 3(-1.27,-16.51) 4(1.27,-16.51) 5(3.81,-16.51) 6(6.35,-16.51)
PAD-TH
  round 1.7 hole 1: 1(0,0)
PinHeader_1x06_P2.54mm_Vertical
  rect 1.7x1.7 hole 1: 1(0,0)
  oval 1.7x1.7 hole 1: 2(0,-2.54) 3(0,-5.08) 4(0,-7.62) 5(0,-10.16) 6(0,-12.7)
PinSocket_2x02_P2.54mm_Vertical
  rect 1.7x1.7 hole 1: 1(0,0)
  oval 1.7x1.7 hole 1: 2(-2.54,0) 3(0,-2.54) 4(-2.54,-2.54)
power_12and5V
  round 1.5 hole 1: E1(16.25,19.6) E2(16.25,13.2) E3(16.25,11.3) E4(16.25,7) S1(16.25,0.75) V1(0.75,20.05) V2(0.75,18.2) V3(0.75,13.25) V4(0.75,1.2)
  round 0.6 hole 0.3: E5(16.7,4.6) E6(16.7,3.6)
  oval 0.2x3.3 smd: S1(0.1,15.75) S1(0.1,15.75) S1(0.1,15.75)
  oval 0.2x3.3 smd far side: S1(0.1,15.75)
  oval 0.2x10.2 smd: S1(0.1,7.25) S1(0.1,7.25) S1(0.1,7.25)
  oval 0.2x10.2 smd far side: S1(0.1,7.25)